# KiCad board MLU_BreakoutV2.kicad_pcb (continued)
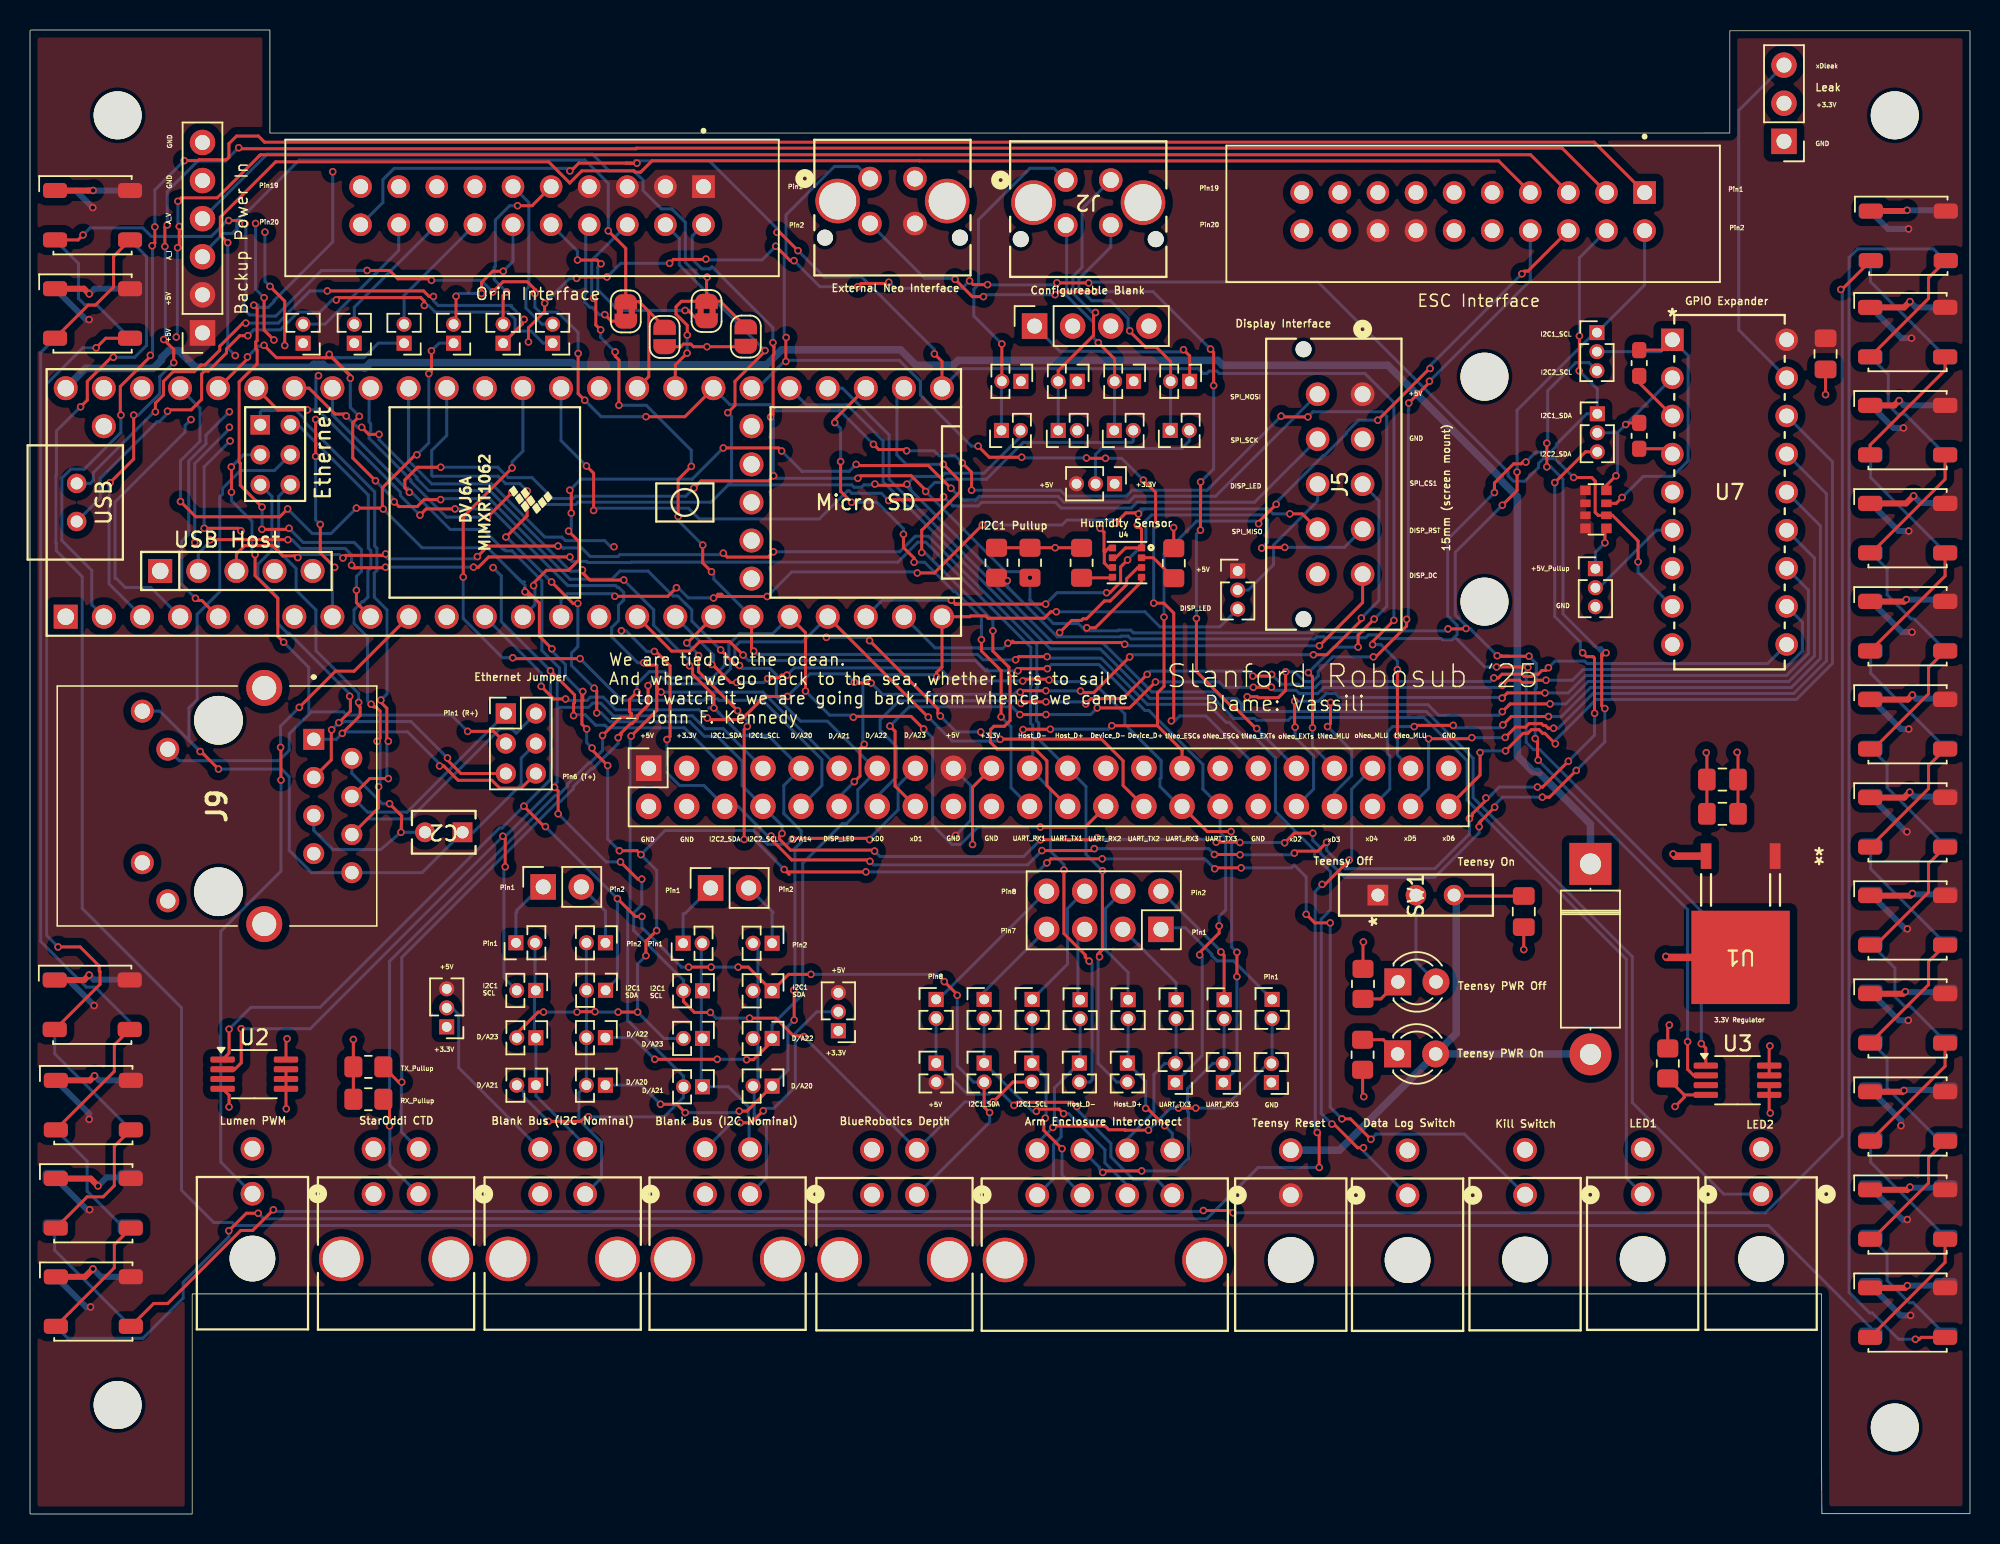
[diagram p0: board, top side]
## Library data of the parts (continued)

## Footprints (pads in the part's own frame, mm; a bottom-side part is the same pattern mirrored in y, then rotated)
09.03201_EAO
  rect 1.372x1.372 hole 0.864: 1(0,0)
  round 1.372 hole 0.864: 2(0,-2.54) 3(0,-5.08)
BME280
  rrect 0.49x0.45 smd: 1(0.97,0.975) 2(0.97,0.325) 3(0.97,-0.325) 4(0.97,-0.975) 5(-0.97,-0.975) 6(-0.97,-0.325) 7(-0.97,0.325) 8(-0.97,0.975)
C_0603_1608Metric_Pad1.08x0.95mm_HandSolder
  rrect 1.075x0.95 smd: 1(-0.863,0) 2(0.863,0)
C_0805_2012Metric_Pad1.18x1.45mm_HandSolder
  rrect 1.175x1.45 smd: 1(-1.038,0) 2(1.038,0)
CONN_SD-43045-001_02_MOL
  round 3.048 hole 3.048 unplated: (0,-4.32)
  round 1.575 hole 1.067: 1(0,0) 2(0,3)
CONN_SD-43045-008_04_MOL
  round 1.575 hole 1.067: 1(0,0) 2(-3,0) 3(0,3) 4(-3,3)
  round 2.972 hole 2.464: 5(-5.15,-4.32) 6(2.15,-4.32)
CONN_SD-43045-008_08_MOL
  round 1.575 hole 1.067: 1(0,0) 2(-3,0) 3(-6,0) 4(-9,0) 5(0,3) 6(-3,3) 7(-6,3) 8(-9,3)
  round 2.972 hole 2.464: 9(-11.15,-4.32) 10(2.15,-4.32)
CONN_SD-43045-009_04_MOL
  round 1.067 hole 1.067 unplated: (-6,3.94) (3,3.94)
  round 1.575 hole 1.067: 1(0,0) 2(-3,0) 3(0,3) 4(-3,3)
  round 2.972 hole 2.464: 5(-5.15,1.5) 6(2.15,1.5)
CONN_SD-43045-010_10_MOL
  round 1.067 hole 1.067 unplated: (-15,3.94) (3,3.94)
  round 1.575 hole 1.067: 1(0,0) 2(-3,0) 3(-6,0) 4(-9,0) 5(-12,0) 6(0,3) 7(-3,3) 8(-6,3) 9(-9,3) 10(-12,3)
D_5W_P12.70mm_Horizontal
  rect 2.8x2.8 hole 1.4: 1(0,0)
  oval 2.8x2.8 hole 1.4: 2(12.7,0)
J1B1211CCD
  round 3.25 hole 3.25 unplated: (-5.715,0.1) (5.715,0.1)
  rect 1.4x1.4 hole 0.9: 1(-4.445,6.45)
  round 1.4 hole 0.9: 2(-3.175,8.99) 3(-1.905,6.45) 4(-0.635,8.99) 5(0.635,6.45) 6(1.905,8.99) 7(3.175,6.45) 8(4.445,8.99)
  round 1.53 hole 1.02: 9(-6.325,-4.98) 10(-3.785,-3.28) 11(3.785,-4.98) 12(6.325,-3.28)
  round 2.4 hole 1.6: 13(-7.875,3.15) 14(7.875,3.15)
K104K15X7RF5TL2_VIS
  rect 1.321x1.321 hole 0.813: 1(0,0)
  round 1.321 hole 0.813: 2(2.5,0)
LED_D3.0mm
  rect 1.8x1.8 hole 0.9: 1(0,0)
  round 1.8 hole 0.9: 2(2.54,0)
LED_LiteOn_LTST-E563C_PLCC4_5.0x5.0mm_P3.2mm_HandSoldering
  rrect 1.6x1 smd: 1(-2.5,1.65) 2(-2.5,-1.65) 3(2.5,1.65) 4(2.5,-1.65)
MCP3008
  rect 1.499x1.499 hole 0.991: 1(0,0)
  round 1.499 hole 0.991: 2(0,-2.54) 3(0,-5.08) 4(0,-7.62) 5(0,-10.16) 6(0,-12.7) 7(0,-15.24) 8(0,-17.78) 9(0,-20.32) 10(7.62,-20.32) 11(7.62,-17.78) 12(7.62,-15.24) 13(7.62,-12.7) 14(7.62,-10.16) 15(7.62,-7.62) 16(7.62,-5.08) 17(7.62,-2.54) 18(7.62,0)
MountingHole_3.2mm_M3
  round 3.2 hole 3.2 unplated: (0,0)
MSOP-8_3x3mm_P0.65mm
  rrect 1.625x0.4 smd: 1(-2.112,0.975) 2(-2.112,0.325) 3(-2.112,-0.325) 4(-2.112,-0.975) 5(2.112,-0.975) 6(2.112,-0.325) 7(2.112,0.325) 8(2.112,0.975)
PinHeader_1x02_P1.27mm_Vertical
  rect 1x1 hole 0.65: 1(0,0)
  oval 1x1 hole 0.65: 2(0,-1.27)
PinHeader_1x03_P1.27mm_Vertical
  rect 1x1 hole 0.65: 1(0,0)
  oval 1x1 hole 0.65: 2(0,-1.27) 3(0,-2.54)
PinHeader_1x03_P2.54mm_Vertical
  rect 1.7x1.7 hole 1: 1(0,0)
  oval 1.7x1.7 hole 1: 2(0,-2.54) 3(0,-5.08)
PinHeader_2x03_P2.00mm_Vertical
  rect 1.35x1.35 hole 0.8: 1(0,0)
  oval 1.35x1.35 hole 0.8: 2(2,0) 3(0,-2) 4(2,-2) 5(0,-4) 6(2,-4)
PinSocket_1x02_P2.54mm_Vertical
  rect 1.7x1.7 hole 1: 1(0,0)
  oval 1.7x1.7 hole 1: 2(0,-2.54)
PinSocket_1x04_P2.54mm_Vertical
  rect 1.7x1.7 hole 1: 1(0,0)
  oval 1.7x1.7 hole 1: 2(0,-2.54) 3(0,-5.08) 4(0,-7.62)
PinSocket_1x06_P2.54mm_Vertical
  rect 1.7x1.7 hole 1: 1(0,0)
  oval 1.7x1.7 hole 1: 2(0,-2.54) 3(0,-5.08) 4(0,-7.62) 5(0,-10.16) 6(0,-12.7)
PinSocket_2x04_P2.54mm_Vertical
  rect 1.7x1.7 hole 1: 1(0,0)
  oval 1.7x1.7 hole 1: 2(-2.54,0) 3(0,-2.54) 4(-2.54,-2.54) 5(0,-5.08) 6(-2.54,-5.08) 7(0,-7.62) 8(-2.54,-7.62)
PinSocket_2x22_P2.54mm_Vertical
  rect 1.7x1.7 hole 1: 1(0,0)
  oval 1.7x1.7 hole 1: 2(-2.54,0) 3(0,-2.54) 4(-2.54,-2.54) 5(0,-5.08) 6(-2.54,-5.08) 7(0,-7.62) 8(-2.54,-7.62) 9(0,-10.16) 10(-2.54,-10.16) 11(0,-12.7) 12(-2.54,-12.7) 13(0,-15.24) 14(-2.54,-15.24) 15(0,-17.78) 16(-2.54,-17.78) 17(0,-20.32) 18(-2.54,-20.32) 19(0,-22.86) 20(-2.54,-22.86) 21(0,-25.4) 22(-2.54,-25.4) 23(0,-27.94) 24(-2.54,-27.94) 25(0,-30.48) 26(-2.54,-30.48) 27(0,-33.02) 28(-2.54,-33.02) 29(0,-35.56) 30(-2.54,-35.56) 31(0,-38.1) 32(-2.54,-38.1) 33(0,-40.64) 34(-2.54,-40.64) 35(0,-43.18) 36(-2.54,-43.18) 37(0,-45.72) 38(-2.54,-45.72) 39(0,-48.26) 40(-2.54,-48.26) 41(0,-50.8) 42(-2.54,-50.8) 43(0,-53.34) 44(-2.54,-53.34)
R_0805_2012Metric_Pad1.20x1.40mm_HandSolder
  rrect 1.2x1.4 smd: 1(-1,0) 2(1,0)
R_Array_Convex_4x0612
  rect 0.7x0.64 smd: 1(-0.7,1.27) 4(-0.7,-1.27) 5(0.7,-1.27) 8(0.7,1.27)
  rect 0.7x0.5 smd: 2(-0.7,0.4) 3(-0.7,-0.4) 6(0.7,-0.4) 7(0.7,0.4)
SolderJumper-2_P1.3mm_Bridged2Bar_RoundedPad1.0x1.5mm
  custom 1x1.5 smd: 1(-0.65,0) 2(0.65,0)
SolderJumper-2_P1.3mm_Open_RoundedPad1.0x1.5mm
  custom 1x1.5 smd: 1(-0.65,0) 2(0.65,0)
SULLINS_SBH11-PBPC-D10-ST-BK
  rect 1.508x1.508 hole 1: 1(-11.43,-1.27)
  round 1.508 hole 1: 2(-11.43,1.27) 3(-8.89,-1.27) 4(-8.89,1.27) 5(-6.35,-1.27) 6(-6.35,1.27) 7(-3.81,-1.27) 8(-3.81,1.27) 9(-1.27,-1.27) 10(-1.27,1.27) 11(1.27,-1.27) 12(1.27,1.27) 13(3.81,-1.27) 14(3.81,1.27) 15(6.35,-1.27) 16(6.35,1.27) 17(8.89,-1.27) 18(8.89,1.27) 19(11.43,-1.27) 20(11.43,1.27)
Teensy41
  rect 1.6x1.6 hole 1.1: 1(-29.21,-7.62) 55(-22.911,-4.569)
  round 1.6 hole 1.1: 2(-26.67,-7.62) 3(-24.13,-7.62) 4(-21.59,-7.62) 5(-19.05,-7.62) 6(-16.51,-7.62) 7(-13.97,-7.62) 8(-11.43,-7.62) 9(-8.89,-7.62) 10(-6.35,-7.62) 11(-3.81,-7.62) 12(-1.27,-7.62) 13(1.27,-7.62) 14(3.81,-7.62) 15(6.35,-7.62) 16(8.89,-7.62) 17(11.43,-7.62) 18(13.97,-7.62) 19(16.51,-7.62) 20(19.05,-7.62) 21(21.59,-7.62) 22(24.13,-7.62) 23(26.67,-7.62) 24(29.21,-7.62) 25(29.21,7.62) 26(26.67,7.62) 27(24.13,7.62) 28(21.59,7.62) 29(19.05,7.62) 30(16.51,7.62) 31(13.97,7.62) 32(11.43,7.62) 33(8.89,7.62) 34(6.35,7.62) 35(3.81,7.62) 36(1.27,7.62) 37(-1.27,7.62) 38(-3.81,7.62) 39(-6.35,7.62) 40(-8.89,7.62) 41(-11.43,7.62) 42(-13.97,7.62) 43(-16.51,7.62) 44(-19.05,7.62) 45(-21.59,7.62) 46(-24.13,7.62) 47(-26.67,7.62) 48(-29.21,7.62) 49(-26.67,5.08) 50(16.51,-5.08) 51(16.51,-2.54) 52(16.51,0) 53(16.51,2.54) 54(16.51,5.08) 56(-20.371,-4.569) 57(-17.831,-4.569) 58(-15.291,-4.569) 59(-12.751,-4.569)
  rect 1.3x1.3 hole 0.8: 60(-16.24,5.182)
  round 1.3 hole 0.8: 61(-16.24,3.182) 62(-16.24,1.182) 63(-14.24,1.182) 64(-14.24,3.182) 65(-14.24,5.182) 66(-28.48,1.27) 67(-28.48,-1.27)
TO252-3_ROM
  rect 0.711x1.702 smd: 1(-2.3,-6.756) 3(2.3,-6.756)
  rect 6.553x6.223 smd: 2(0,0)

## Nets
+3.3V: C6.1 C7.1 J3.2 J7.18 J8.3 J8.19 J17.4 J18.4 J21.2 J25.2 JP2.1 JP17.1 JP58.1 R1.1 R2.1 R3.1 R4.1 R5.1 R8.2 R9.2 U1.3 U2.8 U3.7 U3.8 U4.6 U4.8
+5V: C3.1 J4.4 J5.1 J6.1 J7.14 J7.16 J8.1 J8.17 J12.1 J12.2 J13.1 J13.3 J13.5 J13.7 JP2.3 JP17.3 JP34.2 JP40.1 JP58.3 LED1.3 LED2.3 LED3.3 LED4.3 LED5.3 LED6.3 LED7.3 LED8.3 LED9.3 LED10.3 LED11.3 LED12.3 LED13.3 LED14.3 LED15.3 LED16.3 LED17.3 LED18.3 LED19.3 LED20.3 LED21.3 LED22.3 LED23.3 LED24.3 LED25.3 LED26.3 LED27.3 LED28.3 LED29.3 LED30.3 LED31.3 LED32.3 LED33.3 LED34.3 LED35.3 LED36.3 RN1.5 RN1.6 RN1.7 RN1.8 SW1.1 U1.1 U7.18
GND: C1.2 C3.2 C4.2 C5.2 C6.2 C7.2 J3.1 J4.2 J5.2 J7.12 J7.20 J8.2 J8.4 J8.18 J8.20 J8.34 J8.43 J11.2 J12.5 J12.6 J13.13 J13.15 J13.17 J13.19 J17.2 J18.2 J19.2 J20.2 J22.2 J23.2 JP4.2 JP7.1 JP10.3 JP38.1 JP46.2 LED1.1 LED2.1 LED3.1 LED4.1 LED5.1 LED6.1 LED7.1 LED8.1 LED9.1 LED10.1 LED11.1 LED12.1 LED13.1 LED14.1 LED15.1 LED16.1 LED17.1 LED18.1 LED19.1 LED20.1 LED21.1 LED22.1 LED23.1 LED24.1 LED25.1 LED26.1 LED27.1 LED28.1 LED29.1 LED30.1 LED31.1 LED32.1 LED33.1 LED34.1 LED35.1 LED36.1 R3.2 R6.2 R7.2 U1.2 U2.4 U2.5 U2.6 U2.7 U3.4 U3.5 U3.6 U4.1 U4.7 U6.1 U6.34 U6.47 U7.3 U7.4 U7.5 U7.9
Analog_Current: J12.3 JP4.1 JP5.2 U6.33
Analog_Voltage: J12.4 JP6.2 JP7.2 U6.32
D/A14: J8.10 U6.36
D/A20: J8.9 JP16.1 JP19.1 JP53.1 U6.42
D/A21: J8.11 JP24.2 JP52.1 JP60.2 U6.43
D/A22: J8.13 JP15.1 JP20.1 JP51.1 U6.44
D/A23: J8.15 JP50.1 JP57.2 JP59.2 U6.45
Device_D+: J8.27 JP41.1 U6.67
Device_D-: J8.25 JP49.1 U6.66
DISP_DC: J5.5 U6.23
DISP_LED: J8.12 JP40.3 U6.24
DISP_RST: J5.4 U6.22
Dled1: J22.1 U6.29
Dled2: J23.1 U6.28
Dswitch1: J21.1 U6.18
Dswitch2: J13.6 J25.1 U6.19
ETH_GND: C2.1 J9.8 J9.9 J10.4 U6.64
GPIOExp_INT: RN1.2 U6.37 U7.8
Host_D+: J8.23 JP39.2 U6.57
Host_D-: J8.21 JP37.2 U6.56
I2C1_SCL: J7.2 J8.7 J13.2 J17.3 JP8.1 JP11.2 JP23.2 JP36.2 JP47.2 R5.2 U2.2 U3.2 U4.4 U6.41
I2C1_SDA: J7.4 J8.5 J13.4 J17.1 JP9.1 JP14.1 JP18.1 JP35.2 JP45.2 R4.2 U2.1 U3.1 U4.3 U6.40
I2C2_SCL: J8.8 JP8.3 U6.38
I2C2_SDA: J8.6 JP9.3 U6.39
LED: J9.10 J10.3 U6.61
Lumen_PWM: J20.1 U6.10
NEO_PASS1: LED4.4 LED5.2
NEO_PASS2: LED8.4 LED9.2
NEO_PASS3: LED12.4 LED13.2
NEO_PASS4: LED16.4 LED17.2
NEO_PASS5: LED20.4 LED21.2
NEO_PASS6: LED24.4 LED25.2
NEO_PASS7: LED28.4 LED29.2
NEO_PASS8: LED32.4 LED33.2
outNEO_CTRL_ESCs: J7.8 J8.31
outNEO_CTRL_EXTs: J4.3 J8.35
outNEO_CTRL_MLU: J8.39 LED36.4
PWM0: J7.1 U6.2
PWM1: J7.3 U6.3
PWM2: J7.5 U6.4
PWM3: J7.7 U6.5
PWM4: J7.9 U6.6
PWM5: J7.11 U6.7
PWM6: J7.13 U6.8
PWM7: J7.15 U6.9
R+: J9.4 J10.1 U6.60
R-: J9.6 J10.2 U6.65
SPI_CS1: J5.3 U6.12
SPI_MISO: J5.9 U6.14
SPI_MOSI: J5.6 U6.13
SPI_SCK: J5.7 U6.35
T+: J9.1 J10.6 U6.63
T-: J9.3 J10.5 U6.62
Teensy_5V: D1.1 U6.48
toNEO_CTRL_ESCs: J7.6 J8.29 U6.11
toNEO_CTRL_EXTs: J4.1 J8.33 U6.30
toNEO_CTRL_MLU: J8.37 LED1.2 U6.31
toNEO_CTRL_Orin: J8.41 J13.20 U6.25
UART_RX1: J8.24 U6.26
UART_RX2: J8.26 J18.1 R9.1 U6.20
UART_RX3: J8.30 JP32.1 U6.17
UART_TX1: J8.22 U6.27
UART_TX2: J8.28 J18.3 R8.1 U6.21
UART_TX3: J8.32 JP33.1 U6.16
xD0: J8.14 U7.10
xD1: J8.16 U7.11
xD2: J8.36 U7.12
xD3: J8.38 U7.13
xD4: J8.40 U7.14
xD5: J8.42 U7.15
xD6: J8.44 U7.16
xDleak: J3.3 U7.17
Net-(C2-Pad2): C2.2 J9.2 J9.5
Net-(D1-A): C1.1 D1.2 D3.2 J6.2 SW1.3
Net-(D2-A): D2.2 SW1.2
Net-(D2-K): D2.1 R6.1
Net-(D3-K): D3.1 R7.1
Net-(J14-Pin_1): J14.1 JP22.1
Net-(J14-Pin_2): J14.2 JP21.1
Net-(J27-Pin_1): J27.1 JP31.1
Net-(J27-Pin_2): J27.2 JP30.1
Net-(J27-Pin_3): J27.3 JP29.1
Net-(J27-Pin_4): J27.4 JP28.1
Net-(J27-Pin_5): J27.5 JP27.1
Net-(J27-Pin_6): J27.6 JP26.1
Net-(J27-Pin_7): J27.7 JP25.1
Net-(J27-Pin_8): J27.8 JP3.1
Net-(J28-Pin_1): J28.1 JP44.1
Net-(J28-Pin_2): J28.2 JP43.1
Net-(J28-Pin_3): J28.3 JP42.1
Net-(J28-Pin_4): J28.4 JP67.1
Net-(J31-Pin_1): J31.1 JP12.1
Net-(J31-Pin_2): J31.2 JP13.1
Net-(JP2-C): JP2.2 JP48.2
Net-(JP3-B): J26.1 JP3.2 JP34.1
Net-(JP5-A): J13.8 JP5.1
Net-(JP6-A): J13.10 JP6.1
Net-(JP8-C): C4.1 JP8.2 RN1.3 U7.1
Net-(JP9-C): C5.1 JP9.2 RN1.4 U7.2
Net-(JP10-A): JP10.1 RN1.1
Net-(JP10-C): JP10.2 U7.6
Net-(JP11-A): J19.3 JP11.1 JP12.2 JP59.1 JP60.1
Net-(JP13-B): J19.1 JP13.2 JP14.2 JP15.2 JP16.2
Net-(JP17-C): J19.4 JP17.2
Net-(JP18-B): J11.1 JP18.2 JP19.2 JP20.2 JP21.2
Net-(JP22-B): J11.3 JP22.2 JP23.1 JP24.1 JP57.1
Net-(JP25-B): J26.2 JP25.2 JP35.1
Net-(JP26-B): J26.3 JP26.2 JP36.1
Net-(JP27-B): J26.4 JP27.2 JP37.1
Net-(JP28-B): J26.5 JP28.2 JP39.1
Net-(JP29-B): J26.6 JP29.2 JP33.2
Net-(JP30-B): J26.7 JP30.2 JP32.2
Net-(JP31-B): J26.8 JP31.2 JP38.2
Net-(JP40-C): J5.8 JP40.2
Net-(JP41-B): J13.11 JP41.2
Net-(JP42-B): J2.2 JP42.2 JP46.1
Net-(JP43-B): J2.3 JP43.2 JP47.1
Net-(JP44-B): J2.4 JP44.2 JP48.1
Net-(JP45-A): J2.1 JP45.1 JP67.2
Net-(JP49-B): J13.9 JP49.2
Net-(JP50-B): J13.12 JP50.2
Net-(JP51-B): J13.14 JP51.2
Net-(JP52-B): J13.16 JP52.2
Net-(JP53-B): J13.18 JP53.2
Net-(JP58-C): J11.4 JP58.2
Net-(LED1-DOUT): LED1.4 LED2.2
Net-(LED2-DOUT): LED2.4 LED3.2
Net-(LED3-DOUT): LED3.4 LED4.2
Net-(LED5-DOUT): LED5.4 LED6.2
Net-(LED6-DOUT): LED6.4 LED7.2
Net-(LED7-DOUT): LED7.4 LED8.2
Net-(LED10-DIN): LED9.4 LED10.2
Net-(LED10-DOUT): LED10.4 LED11.2
Net-(LED11-DOUT): LED11.4 LED12.2
Net-(LED13-DOUT): LED13.4 LED14.2
Net-(LED14-DOUT): LED14.4 LED15.2
Net-(LED15-DOUT): LED15.4 LED16.2
Net-(LED17-DOUT): LED17.4 LED18.2
Net-(LED18-DOUT): LED18.4 LED19.2
Net-(LED19-DOUT): LED19.4 LED20.2
Net-(LED21-DOUT): LED21.4 LED22.2
Net-(LED22-DOUT): LED22.4 LED23.2
Net-(LED23-DOUT): LED23.4 LED24.2
Net-(LED25-DOUT): LED25.4 LED26.2
Net-(LED26-DOUT): LED26.4 LED27.2
Net-(LED27-DOUT): LED27.4 LED28.2
Net-(LED29-DOUT): LED29.4 LED30.2
Net-(LED30-DOUT): LED30.4 LED31.2
Net-(LED31-DOUT): LED31.4 LED32.2
Net-(LED33-DOUT): LED33.4 LED34.2
Net-(LED34-DOUT): LED34.4 LED35.2
Net-(LED35-DOUT): LED35.4 LED36.2
Net-(U4-CSB): R2.2 U4.2
Net-(U4-SDO): R1.2 U4.5

Pads without a net: J2 5 6; J4 5 6; J5 10; J7 10 17 19; J9 7 11 12 13 14; J11 5 6; J17 5 6; J18 5 6; J19 5 6; J26 9 10; U2 3; U3 3; U6 15 46 49 50 51 52 53 54 55 58 59; U7 7

## Via types
v1: diameter 0.5, hole 0.3, Top to Bottom, 599 vias

## Routing (per net, layer and track width the routed paths; a pad name or vN(x,y) marks a point on that pad's centre or on a via; arc(x,y) is an arc through that point)
+3.3V: length 31.7
  Top w0.2: v1(71.34,65.73) 71.6,65.47 71.6,64.23 71.66,64.16 ; v1(76.24,65.78) 76.25,65.77 R2.1 ; J8.19 62.84,48.46 v1(62.84,44.65) ; U4.8 71.92,64.42 71.66,64.16 ; v1(17.14,31.69) 17.07,31.62 U2.8 ; U3.7 U3.8 115.95,31.16 v1(116,31.21) ; v1(21.56,31.64) R8.2 R9.2 ; U4.6 71.92,63.12 71.62,63.42 71.62,64.12 71.66,64.16 ; 70.1,64.43 R5.1 R4.1 ; v1(111.75,50.77) 111.79,50.73 C6.1 C7.1 ; v1(109.29,32.61) 109.19,32.51 R3.1
  Top w0.5: v1(109.54,44.01) 109.68,43.87 U1.3
  vias: v1(68.34,64.43)
+5V: length 80.5
  In2.Cu w0.4: v1(4.18,87.12) 4.78,86.52 4.78,80.49 v1(3.94,79.65) 10.61,79.65 J12.1
  Bottom w0.2: J8.17 62.71,48.58 62.71,46.25 v1(61.71,45.25)
  Bottom w0.4: LED25.3 125.06,45.49 v1(125.13,45.49) ; LED36.3 3.73,13.81 v1(4.04,13.81) ; v1(125.22,32.92) 124.59,32.92 LED27.3 ; v1(124.74,25.9) 124.74,26.25 LED28.3 ; v1(125.16,39.02) 125.01,39.02 LED26.3 ; LED29.3 124.83,19.64 v1(125.16,19.64) ; LED35.3 3.8,20.3 v1(3.98,20.3) ; LED32.3 3.72,79.65 v1(3.94,79.65) ; LED33.3 2.55,35.63 v1(4.27,33.91) ; LED24.3 124.74,52.34 v1(125.25,52.34) ; LED34.3 3.95,26.69 v1(3.95,26.31) ; LED21.3 124.22,72.42 v1(124.9,72.42) ; v1(125.37,13.24) 124.7,13.24 LED30.3 ; v1(4.18,87.12) 3.04,88.26 LED31.3 ; v1(125.24,85.69) 123.87,85.69 LED19.3 ; LED22.3 124.57,65.55 v1(125.25,65.55) ; v1(125.43,78.41) 124.76,78.41 LED20.3 ; v1(125.47,58.81) 124.79,58.81 LED23.3
GND: length 134.5
  Top w0.2: C5.2 109.14,71.04 ; v1(88.89,38.15) 88.87,38.12 R6.2 ; v1(17.09,27.02) 17.07,27.04 U2.5 U2.7 ; R7.2 88.84,27.91 v1(88.92,27.83) ; v1(109.67,27.17) 110.28,27.78 110.28,27.95 ; R3.2 110.28,27.95 ; 110.28,27.95 U3.4 ; JP4.2 43.39,77.84 43.56,78.01 44.06,78.01 44.23,77.84 47.69,77.84 ; C3.2 v1(119.7,74.65) ; U2.4 13.27,27.93 v1(13.27,27.15) ; v1(116.02,26.74) 115.95,26.81 U3.5 U3.6 ; U7.3 107.28,75.43 C4.2 ; U4.7 72.38,63.77 73.03,64.42 U4.1 74.1,65.66 v1(73.82,65.94) ; C1.2 v1(99.59,37.64) ; v1(113.81,50.79) 113.87,50.74 C6.2 C7.2
  Top w0.4: LED9.1 124.29,73.92 v1(124.61,74.25) ; v1(125.02,34.83) 124.88,34.7 LED15.1 ; LED16.1 124.84,28.16 v1(124.93,28.24) ; LED4.1 4,28.92 v1(4.3,29.22) ; v1(3.94,35.94) 3.6,35.61 LED3.1 ; v1(4.2,16.35) 3.67,15.82 LED6.1 ; LED5.1 4.04,22.37 v1(4.53,21.88) ; v1(125.34,21.8) 125.15,21.62 LED17.1 ; v1(125.49,54.61) 125.19,54.31 LED12.1 ; v1(125.16,15.23) 125.01,15.08 LED18.1 ; v1(125.5,41.38) 125.35,41.23 LED14.1 ; v1(125.31,48.14) 124.95,47.77 LED13.1 ; LED1.1 3.88,88.26 v1(4.21,88.26) ; LED7.1 125.09,86.89 v1(125.14,86.94) ; LED2.1 3.6,81.71 v1(3.95,81.36) ; LED8.1 124.95,80.46 v1(125.33,80.85) ; v1(125.58,67.89) 125.07,67.39 LED10.1 ; v1(125.09,60.98) 124.96,60.85 LED11.1
  Top w0.5: U1.2 109.12,37.12 v1(109.06,37.18)
  Bottom w0.4: v1(124.93,28.24) 124.97,28.28 LED28.1 ; LED30.1 125.16,15.23 v1(125.16,15.23) ; LED35.1 5.1,22.45 v1(4.53,21.88) ; v1(3.94,35.94) 4.26,35.63 LED33.1 ; LED24.1 125.74,54.37 v1(125.49,54.61) ; LED36.1 4.73,15.82 v1(4.2,16.35) ; v1(125.34,21.8) 125.38,21.76 LED29.1 ; v1(125.5,41.38) 125.55,41.32 LED26.1 ; v1(124.61,74.25) 124.93,73.94 LED21.1 ; LED20.1 125.72,80.46 v1(125.33,80.85) ; LED27.1 125.05,34.8 v1(125.02,34.83) ; LED32.1 4.3,81.71 v1(3.95,81.36) ; v1(4.3,29.22) 4.61,28.92 LED34.1 ; v1(125.14,86.94) 127.62,86.94 ; LED31.1 4.21,88.26 v1(4.21,88.26) ; LED25.1 125.61,47.85 v1(125.31,48.14) ; v1(125.09,60.98) 127.62,60.98 ; LED22.1 126.05,67.41 v1(125.58,67.89)
  vias: v1(45.13,77.84)
Analog_Current: length 47.8
  Top w0.2: 41.31,80.14 JP4.1 ; 41.31,80.14 40.61,80.84 JP5.2 39.72,84.4 v1(38.55,85.57) ; 41.31,80.14 41.25,80.09 41.25,75.85 U6.33
  Bottom w0.2: v1(38.55,85.57) 38.55,88.73 37,90.28 17.94,90.28 14.25,86.59 14.11,86.59 13.79,86.27 13.79,85.82 13.85,85.75 13.49,85.39 12.88,85.39 11.5,84.01
Analog_Voltage: length 54
  Top w0.2: JP6.2 43.43,80.87 43.07,80.51 43.07,80.01 43.82,79.26 v1(43.82,78.61) ; JP6.2 45.1,82.44 v1(45.15,82.48) ; JP6.2 46.02,80.87 JP7.2 ; v1(43.81,77.41) 43.02,76.63 U6.32
  Bottom w0.2: v1(43.82,78.61) 43.81,78.6 v1(43.81,77.41) ; v1(45.15,82.48) 44.68,82.48 43.69,83.47 43.69,86.13 42.8,87.03 42.09,87.03 40.87,88.25 40.87,88.95 40.26,89.57 38.61,89.57 37.49,90.68 15.8,90.68 J12.4
D/A14: length 48.6
  Top w0.2: v1(36.67,57.04) 32.24,57.04 v1(32.18,57.1) ; v1(32.14,69.76) 28.88,66.5 v1(28.88,62.48)
  Bottom w0.2: v1(32.14,69.76) 32.14,70.16 32.86,70.88 U6.36 ; v1(32.18,57.1) 31.5,57.1 28.88,59.72 v1(28.88,62.48) ; J8.10 52.79,48.58 52.79,50.31 48.84,54.26 45.93,54.26 45.84,54.35 45.01,54.35 44.92,54.26 39.45,54.26 v1(36.67,57.04)
D/A20: length 86.6
  Top w0.2: 37,62.6 37.32,62.28 v1(39.59,62.28) ; 37,62.6 36.83,62.77 v1(36.83,62.95) ; 37,62.6 36.73,62.87 ; v1(42.03,27.32) 43.12,27.32 v1(43.68,26.77) ; v1(50.91,34.93) 50.95,34.9 v1(50.95,32.94) ; U6.42 18.61,75.07 20.33,73.35 20.95,73.35 v1(21.08,73.22) ; v1(47.28,26.87) 47.8,26.87 JP16.1 ; v1(23.27,71.99) 22.58,71.99 v1(22.11,72.46) ; v1(45.59,53.75) 45.59,54.58 44.17,56 44.17,56.36 v1(43.97,56.56)
  In2.Cu w0.2: JP53.1 18.2,75.66 U6.42
  Bottom w0.2: v1(22.11,72.46) 21.84,72.46 v1(21.08,73.22) ; v1(42.03,27.32) 40.76,28.59 JP19.1 ; v1(45.59,53.75) 45.97,53.38 ; v1(45.59,53.75) 45.26,53.75 v1(45.59,53.75) ; v1(45.59,53.75) 45.97,53.38 ; 45.97,53.38 47.43,51.92 49.21,51.92 J8.9 50.25,48.58 50.25,46.71 51.41,45.55 51.41,44.81 51,44.39 51,35.01 v1(50.91,34.93) ; JP16.1 50.53,29.6 50.53,32.52 v1(50.95,32.94) ; v1(39.59,62.28) 39.59,62.28 41.58,60.29 41.58,59.26 43.97,56.87 v1(43.97,56.56) ; v1(47.28,26.87) 47.18,26.77 v1(43.68,26.77) ; v1(36.83,62.95) 36.75,62.87 36.03,62.87 30.66,68.24 26.58,68.24 25.79,69.03 25.79,69.12 23.27,71.64 v1(23.27,71.99)
D/A21: length 102.2
  Top w0.2: U6.43 16.53,73.63 v1(18.49,73.63) ; v1(37.23,26.49) 37.03,26.49 36.72,26.18 v1(34.56,26.18) ; v1(28.33,67.03) 26.41,67.03 v1(26,66.61) ; 41.79,55.19 41.79,55.1 v1(42.07,54.81) ; 41.79,55.19 41.79,56.6 41.09,56.6 v1(40.92,56.77) ; 41.79,55.19 41.79,53.58 40.13,51.92
  In2.Cu w0.2: v1(19.23,75.91) 19.5,76.17 19.72,76.17 JP52.1
  Bottom w0.2: v1(42.07,54.81) 48.86,54.81 J8.11 ; v1(26,66.61) 24.69,67.92 24.69,68.14 19.2,73.63 ; v1(37.23,26.49) 42.27,26.49 43.56,27.78 JP60.2 43.56,29.2 39.84,32.92 39.84,40.24 40.01,40.41 40.01,51.7 39.96,51.75 ; 39.96,51.75 40.13,51.92 ; 39.96,51.75 v1(40.08,51.87) ; JP24.2 32.91,28.14 32.91,27.83 v1(34.56,26.18) ; v1(18.49,73.63) 19.2,73.63 ; 19.2,73.63 19.06,73.77 19.06,75.74 v1(19.23,75.91) ; v1(40.92,56.77) 40.51,56.77 38.78,58.5 38.78,59.11 39.23,59.57 39.23,60.6 39.58,60.95 39.58,61.45 39.23,61.8 39.15,61.8 39.04,61.91 35.86,61.91 30.75,67.03 v1(28.33,67.03)
D/A22: length 104.1
  Top w0.2: 19.71,77.11 16.43,77.11 v1(15.6,77.93) ; 19.71,77.11 20.14,77.11 21.35,75.89 v1(21.35,75.74) 21.35,75.93 v1(19.95,77.33) 19.73,77.11 19.71,77.11 ; 49.47,31.54 48.23,30.3 v1(47.77,30.3) ; v1(23.03,68.9) 21.52,70.42 21.52,72.76 v1(21.95,73.2) ; U6.44 14.5,77.03 v1(14.5,77.16) ; v1(24.28,67.5) 24.6,67.18 25.81,67.18 26.27,67.64 v1(27.37,67.64) ; v1(46.04,57.62) 47.12,56.55 47.3,56.55 47.3,56.55 v1(47.3,56.58) ; v1(41.65,30.32) v1(45.81,30.32)
  Bottom w0.2: JP15.1 49.47,32.61 51.51,34.65 51.51,43.4 54.15,46.04 54.43,46.04 55.19,46.79 55.19,48.29 56.48,49.58 ; v1(23.03,68.9) 24.28,67.66 v1(24.28,67.5) ; v1(47.77,30.3) 47.75,30.32 v1(45.81,30.32) ; JP51.1 23.22,78.07 22.25,77.11 20.6,77.11 ; 20.6,77.11 20.14,77.11 ; 20.6,77.11 20.17,77.11 v1(19.95,77.33) ; v1(46.04,57.62) 44.12,59.54 44.12,60.29 43.73,60.68 43.72,60.68 43.19,61.22 42.87,61.22 41.2,62.88 39.34,62.88 38.79,62.33 36,62.33 30.63,67.71 27.44,67.71 v1(27.37,67.64) ; v1(14.5,77.16) 15.21,77.87 15.54,77.87 v1(15.6,77.93) ; 56.31,49.73 53.17,52.87 51.37,52.87 49.76,54.48 49.76,55.96 49.33,56.39 47.49,56.39 v1(47.3,56.58) ; v1(21.95,73.2) 21.35,73.8 v1(21.35,75.74) ; JP20.1 40.21,31.76 v1(41.65,30.32)
D/A23: length 120.6
  Top w0.2: 36.8,54.75 36.8,54.2 ; 36.8,54.2 36.8,52.66 v1(37.11,52.35) ; 36.8,54.2 36.85,54.25 v1(36.85,54.85) ; v1(50.82,45) 50.87,45.06 55.88,45.06 v1(55.97,44.97) ; v1(10.03,67.51) 11.05,66.5 16.65,66.5 v1(17.18,67.03) ; 33.43,61.27 33.22,61.27 v1(33,61.49) ; 33.43,61.27 32.97,61.73 ; 33.43,61.27 33.96,60.74 33.96,58.53 v1(34.79,57.7) ; v1(26.76,77.57) 26.76,76.22 v1(26.59,76.04) ; 32.45,32.05 33.88,33.47 v1(34.23,33.47) ; v1(36.47,33.47) 36.49,33.5 v1(37.66,33.5) ; v1(41.07,37.23) 41.07,38.2 v1(41.78,38.91) ; v1(38.51,49.91) 37.47,50.95 v1(37.47,51.08) ; v1(39.29,44.23) 40.47,44.23 v1(40.73,43.97) ; 23.49,67.08 v1(21.76,67.08) ; 23.49,67.08 v1(23.55,67.02) ; 23.49,67.08 23.49,68.43 25.69,70.63 v1(25.79,70.63) ; v1(40.51,33.47) v1(39.21,33.47)
  Bottom w0.2: JP59.2 42.26,31.71 v1(40.51,33.47) 40.51,36.67 v1(41.07,37.23) ; v1(55.97,44.97) 55.97,45.05 57.87,46.95 57.87,48.58 J8.15 ; v1(10.03,67.51) 10.03,70.23 11.33,71.53 11.33,73.74 U6.45 ; 36.71,54.84 36.6,54.95 ; 36.6,54.95 35.7,55.85 35.7,56.64 34.79,57.55 v1(34.79,57.7) ; 36.6,54.95 36.7,54.85 v1(36.85,54.85) ; JP50.1 27.27,78.07 v1(26.76,77.57) ; v1(50.82,45) 50.48,44.66 49.17,44.66 48.25,45.58 42.34,45.58 v1(40.73,43.97) 40.58,44.11 41.78,42.92 v1(41.78,38.91) ; v1(25.79,70.63) 26.59,71.43 v1(26.59,76.04) ; 32.39,62.54 31.05,63.88 31.05,63.89 30.51,64.43 26.13,64.43 23.66,66.91 ; 32.39,62.54 32.77,62.16 32.97,62.16 ; 32.39,62.54 33,61.93 v1(33,61.49) ; 23.66,66.91 23.49,67.08 ; 23.66,66.91 v1(23.55,67.02) ; v1(36.47,33.47) v1(34.23,33.47) ; v1(21.76,67.08) 20.07,65.38 18.82,65.38 v1(17.18,67.03) ; v1(37.47,51.08) 37.11,51.44 v1(37.11,52.35) ; v1(39.29,44.23) 38.51,45.01 v1(38.51,49.91) ; v1(39.21,33.47) 37.69,33.47 v1(37.66,33.5)
Device_D+: length 97.5
  Top w0.2: v1(20.42,80.96) 20.57,81.11 26.05,81.11 26.29,80.87 v1(26.29,80.59) ; v1(9.17,73.54) 9.26,73.63 10.75,73.63 11.44,74.32 11.44,76.03 11.63,76.22 11.9,76.22 13.1,77.42 13.1,77.69 13.99,78.58 v1(14.52,78.58)
  In2.Cu w0.2: JP41.1 34.84,77.19 36.5,75.53 36.5,74.64 36.38,74.52 36.38,74.02 36.48,73.92 36.48,73.01 36.86,72.63 43.57,72.63 47.65,68.55 48.56,68.55 49.2,67.91 49.2,66.55 49.13,66.49 58.63,66.49 66.11,59.01 67.6,59.01 73.22,53.39 73.22,50.77 J8.27
  Bottom w0.2: v1(9.17,73.54) 9.17,73.39 8.63,72.85 8.47,72.85 4.68,69.06 4.68,67.75 U6.67 ; JP41.1 34.21,78.07 33.4,78.88 32.47,78.88 32.34,79.01 32.34,79.68 31.87,80.14 27.02,80.14 26.57,80.59 v1(26.29,80.59) ; v1(14.52,78.58) 14.91,78.96 16.69,78.96 17.87,80.14 19.32,80.14 20.14,80.96 v1(20.42,80.96)
Device_D-: length 96.4
  Top w0.2: v1(14.39,79.41) 14.39,79.42 14.19,79.42 12.65,77.87 12.65,77.61 11.66,76.62 11.4,76.62 10.95,76.17 9.55,76.17 8.9,75.53 8.9,74.62 8.36,74.08 v1(8.36,73.5) ; v1(19.82,81.56) 26.24,81.56 26.61,81.19 v1(26.89,81.19) ; v1(32.94,79.66) 32.83,79.55 32.83,79.37 JP49.1
  In2.Cu w0.2: JP49.1 31.98,78.07 33.96,76.09 33.96,74.89 36.68,72.18 42.81,72.18 47.04,67.95 47,67.91 47,67 47.65,66.35 48.63,66.35 48.95,66.04 58.45,66.04 65.93,58.56 67.42,58.56 72.77,53.21 72.77,50.77 J8.25
  Bottom w0.2: v1(19.82,81.56) 18.66,81.56 17.27,80.17 17.27,80.14 16.55,79.42 14.39,79.42 v1(14.39,79.41) ; v1(8.36,73.5) 8.27,73.5 4.22,69.45 4.22,68.92 4.03,68.72 U6.66 ; v1(26.89,81.19) 26.89,80.91 27.21,80.59 32.09,80.59 32.09,80.51 v1(32.94,79.66)
DISP_DC: length 35.2
  Top w0.2: 65.84,58.11 65.62,58.11 65.51,58.21 ; 65.84,58.11 65.24,58.11 v1(65.2,58.07) ; 65.84,58.11 72.87,58.11 v1(72.98,58) ; v1(85.96,57.9) 88.84,60.78 J5.5
  Bottom w0.2: v1(65.2,58.07) 64.84,57.71 63.3,57.71 63.25,57.76 60.33,57.76 U6.23 ; v1(72.98,58) 73.08,57.9 v1(85.96,57.9)
DISP_LED: length 38.7
  Top w0.2: v1(68.42,60.17) 68.05,60.17 67.62,59.73 63.87,59.73 63.71,59.89 62.71,59.89 62.66,59.83 U6.24 60.8,56.48 60.45,56.13 v1(60.45,55.82) ; v1(55.62,51.33) 55.33,51.04 55.33,49.21 v1(54.96,48.84)
  Bottom w0.2: v1(60.45,55.82) 60.3,55.97 55.85,55.97 55.53,55.65 55.53,51.42 v1(55.62,51.33) ; 53.94,47.82 v1(54.96,48.84) ; v1(68.42,60.17) 74.33,60.17 75.33,59.16 79.33,59.16 JP40.3
DISP_RST: length 41
  Top w0.2: v1(83.65,64.46) 82.16,64.46 v1(82.11,64.41) ; v1(71.77,61.44) 72,61.44 72.71,62.15 72.71,63.16 v1(73.17,63.62) ; v1(61.42,60.93) 61.68,60.68 62.06,60.68 ; v1(67.71,60.68) 62.06,60.68 ; 62.06,60.68 61.74,60.68 61.71,60.65
  Bottom w0.2: U6.22 56.82,60.93 v1(61.42,60.93) ; J5.4 87.63,64.46 v1(83.65,64.46) ; v1(67.71,60.68) 68.47,61.44 v1(71.77,61.44) ; v1(82.11,64.41) 82.51,64.81 82.51,66.29 82.18,66.62 74.77,66.62 74.39,66.24 74.39,64.84 v1(73.17,63.62)
Dled1: length 91
  Bottom w0.2: U6.29 51.74,73.97 54.47,73.97 56.88,71.56 56.88,68.84 68.03,57.68 71.35,57.68 71.57,57.47 71.57,57.47 74.65,54.39 78.92,54.39 80.26,53.05 81.64,53.05 81.75,52.93 83.88,52.93 84.07,53.12 92.92,53.12 95.81,50.23 95.81,47.61 106.42,36.99 106.42,22.41 J22.1
Dled2: length 93.8
  Bottom w0.2: U6.28 54.16,75.07 57.28,71.96 57.28,69 68.19,58.08 71.52,58.08 71.73,57.87 71.74,57.87 74.79,54.82 79.05,54.82 79.48,54.39 80.41,54.39 80.76,54.04 80.76,53.54 80.78,53.52 93.09,53.52 96.21,50.4 96.21,47.78 106.83,37.16 106.83,27.43 112.92,21.33 J23.1
Dswitch1: length 89.6
  Top w0.2: v1(47.17,53.57) 44.57,56.17 v1(44.57,57.24) ; v1(67.79,43.42) 68.06,43.69 v1(71.48,43.69) ; v1(43.78,58.09) 43.82,58.09 U6.18 ; v1(89.39,24.99) 88.03,26.35 v1(87.46,26.35) ; v1(47.82,52.52) 47.61,52.31 v1(47.61,44.98) ; v1(55.73,42.82) 50.44,42.82 v1(50.28,42.98) 50.61,42.65 ; v1(78.98,43.03) 79.04,43.09 v1(80.74,43.09) ; v1(86.68,39.42) 85.65,39.42 v1(85.08,39.99)
  Bottom w0.2: J21.1 95.62,25.34 89.74,25.34 v1(89.39,24.99) ; v1(87.46,26.35) 86.68,27.13 v1(86.68,39.42) ; v1(47.17,53.57) 47.82,52.92 v1(47.82,52.52) ; v1(47.61,44.98) 48.28,44.98 v1(50.28,42.98) ; v1(55.73,42.82) 67.19,42.82 v1(67.79,43.42) ; v1(44.57,57.24) 44.57,57.3 v1(43.78,58.09) ; v1(80.74,43.09) 84.09,43.09 84.28,43.28 85.08,42.48 v1(85.08,39.99) ; v1(71.48,43.69) 78.32,43.69 v1(78.98,43.03)
Dswitch2: length 107.2
  Top w0.2: v1(43.21,66.52) 43.21,68.98 v1(44.09,69.86) ; v1(86.8,26) 86.93,26 88.51,24.42 v1(88.9,24.42) ; v1(45.43,62.83) 44.85,63.42 v1(44.85,64.61) ; v1(38.04,78.96) 37.72,79.29 37.72,80.92 v1(37.57,81.07) ; v1(39.26,73.93) 39.26,76.96 39.01,77.21 v1(39.01,77.49) ; v1(65.71,56.96) 65.92,57.17 v1(67.81,57.17) ; v1(48.24,57.54) 48.1,57.69 U6.19
  Bottom w0.2: v1(39.26,73.93) 41.08,73.93 44.09,70.93 v1(44.09,69.86) ; v1(67.81,57.17) 67.91,57.07 71.41,57.07 74.49,53.99 78.55,53.99 79.75,52.79 79.95,52.79 80.96,51.78 81.67,51.78 83.03,50.41 83.03,46.85 85.64,44.24 85.64,43.89 86.7,42.83 86.7,40.29 86.08,39.67 86.08,26.72 v1(86.8,26) ; U6.19 45.59,62.35 45.59,62.68 v1(45.43,62.83) ; v1(48.24,57.54) 48.47,57.32 63.16,57.32 63.17,57.31 63.19,57.31 63.53,56.96 v1(65.71,56.96) ; v1(39.01,77.49) 38.04,78.46 v1(38.04,78.96) ; v1(88.9,24.42) 88.9,24.19 J25.1 ; v1(37.57,81.07) 37.45,81.19 37.45,83.6 J13.6 ; v1(43.21,66.52) 43.21,66.25 v1(44.85,64.61)
ETH_GND: length 62.5
  Top w0.2: 11.65,50.59 11.4,50.85 v1(11.35,50.85) ; 11.65,50.59 v1(12.57,49.68) ; 11.65,50.59 11.47,50.77 11.42,50.77
  Bottom w0.2: J9.9 8.65,53.54 11.21,50.98 ; U6.64 16.3,69.59 14.03,69.59 12.83,68.39 12.83,68.01 12.65,67.83 12.65,61.5 11.14,59.99 11.14,54.3 10.59,53.75 10.59,51.6 11.21,50.98 ; 11.21,50.98 v1(11.35,50.85) ; v1(12.57,49.68) 16.77,49.68 17.28,49.17 17.28,44.26 18.77,42.77 J9.8 26.14,42.77 C2.1 29.56,45.46 32.75,48.65 32.75,50.4 J10.4
GPIOExp_INT: length 98.9
  Top w0.2: v1(55.18,81.84) 55.4,82.06 57.17,82.06 v1(57.25,82.14) ; v1(68.46,82.1) 68.48,82.09 v1(70.58,82.09) ; v1(33.23,78.16) 33.23,79.1 34.31,80.18 v1(34.31,80.74) ; v1(45.06,83.68) 45.04,83.66 42.9,83.66 v1(42.64,83.4) ; v1(50.93,83.58) 50.68,83.58 v1(49.72,84.54) ; v1(102.91,69.12) 104.11,69.12 104.35,68.88 104.35,66.79 104.55,66.59 RN1.2 105.5,66.59 107.21,64.89 v1(107.21,63.49) ; v1(36.44,82.4) 36.53,82.49 v1(38.46,82.49) ; v1(62.64,82.23) 62.89,81.98 v1(63.84,81.98)
  In1.Cu w0.2: U6.37 33.23,77.98 v1(33.23,78.16)
  Bottom w0.2: v1(42.64,83.4) 39.37,83.4 v1(38.46,82.49) ; U7.8 107.21,62.81 v1(107.21,63.49) ; v1(49.72,84.54) 48.81,83.63 45.11,83.63 v1(45.06,83.68) ; v1(70.58,82.09) 70.64,82.15 85.87,82.15 98.54,69.49 98.54,69.23 98.89,68.88 99.14,68.88 99.15,68.87 99.65,68.87 100.57,69.79 100.57,70.06 100.89,70.38 101.65,70.38 v1(102.91,69.12) ; v1(50.93,83.58) 52.67,81.84 v1(55.18,81.84) ; v1(36.44,82.4) 35.97,82.4 v1(34.31,80.74) ; v1(62.64,82.23) 62.13,81.73 57.66,81.73 v1(57.25,82.14) ; v1(68.46,82.1) 68.32,81.96 63.86,81.96 v1(63.84,81.98)
Host_D+: length 94
  Top w0.2: 17.63,63.89 16.85,63.89 16.16,64.58 14.32,64.58 13.76,64.02 U6.57 ; 17.63,63.89 17.93,63.89 ; 17.63,63.89 17.74,63.89 v1(17.85,63.78) ; v1(29.82,63.84) 30.53,64.55 v1(35.2,64.55) ; v1(20.86,63.75) 21.04,63.93 23.32,63.93 ; v1(71.49,42.9) 71.49,37.64 71.41,37.55 ; 71.41,37.55 71.3,37.45 v1(71.3,37.16) ; 71.41,37.55 71.16,37.31 ; v1(23.71,64.02) 23.62,63.93 23.32,63.93 ; 23.32,63.93 23.64,63.93 ; v1(46.22,64.07) 46.48,63.81 49.21,63.81 v1(49.56,64.17)
  Bottom w0.2: 71.21,37.26 71.21,30.05 72.45,28.8 JP39.2 ; 23.8,63.77 23.71,63.86 v1(23.71,64.02) ; 23.8,63.77 23.87,63.7 29.68,63.7 v1(29.82,63.84) ; 23.8,63.77 23.64,63.93 ; v1(71.49,42.9) 70.4,43.99 70.4,48.51 J8.23 67.25,51.66 67.25,52.74 67.11,52.89 67.11,55.07 67.18,55.14 67.18,55.96 67.12,56.02 67.12,57.96 59.89,65.2 59.02,65.2 57.98,64.17 v1(49.56,64.17) ; 18.28,63.98 20.63,63.98 v1(20.86,63.75) ; 18.28,63.98 18.06,63.98 v1(17.85,63.78) ; 18.28,63.98 18.02,63.98 17.93,63.89 ; v1(46.22,64.07) 46.12,63.98 39.33,63.98 39.2,63.85 37.35,63.85 36.78,64.42 35.59,64.42 35.55,64.38 35.38,64.55 v1(35.2,64.55)
Host_D-: length 94.9
  Top w0.2: 21.76,63.1 23.66,63.1 v1(23.7,63.14) ; 21.76,63.1 21.61,63.1 v1(21.44,63.27) ; 21.76,63.1 21.49,63.1 21.44,63.16 ; v1(68.93,42.95) 68.93,38.7 70.35,37.28 70.35,37.13 v1(70.61,36.87) ; v1(35.99,63.82) 30.58,63.82 29.9,63.14 v1(29.57,63.14) ; v1(12.01,64.97) 12.02,64.98 17.08,64.98 17.09,64.97
  Bottom w0.2: U6.56 11.22,64.05 12.01,64.84 v1(12.01,64.97) ; 36.13,63.53 35.99,63.66 v1(35.99,63.82) ; 36.13,63.53 37.1,63.53 37.18,63.45 40.06,63.45 40.08,63.47 57.86,63.47 59.18,64.8 59.72,64.8 66.72,57.8 66.72,55.85 66.78,55.8 66.78,55.3 66.71,55.23 66.71,52.72 66.85,52.58 66.85,49.94 ; 36.13,63.53 35.93,63.72 ; 70.46,37.02 70.81,36.67 70.81,28.95 70.67,28.8 JP37.2 ; 17.47,64.97 v1(17.19,64.97) ; 17.47,64.97 18.05,64.39 21.01,64.39 21.44,63.96 21.44,63.16 ; 17.47,64.97 17.09,64.97 ; v1(23.7,63.14) v1(29.57,63.14) ; v1(68.93,42.95) 68.93,43.3 68.03,44.2 68.03,48.34 J8.21
